# KiCad board sbc.kicad_pcb (continued)
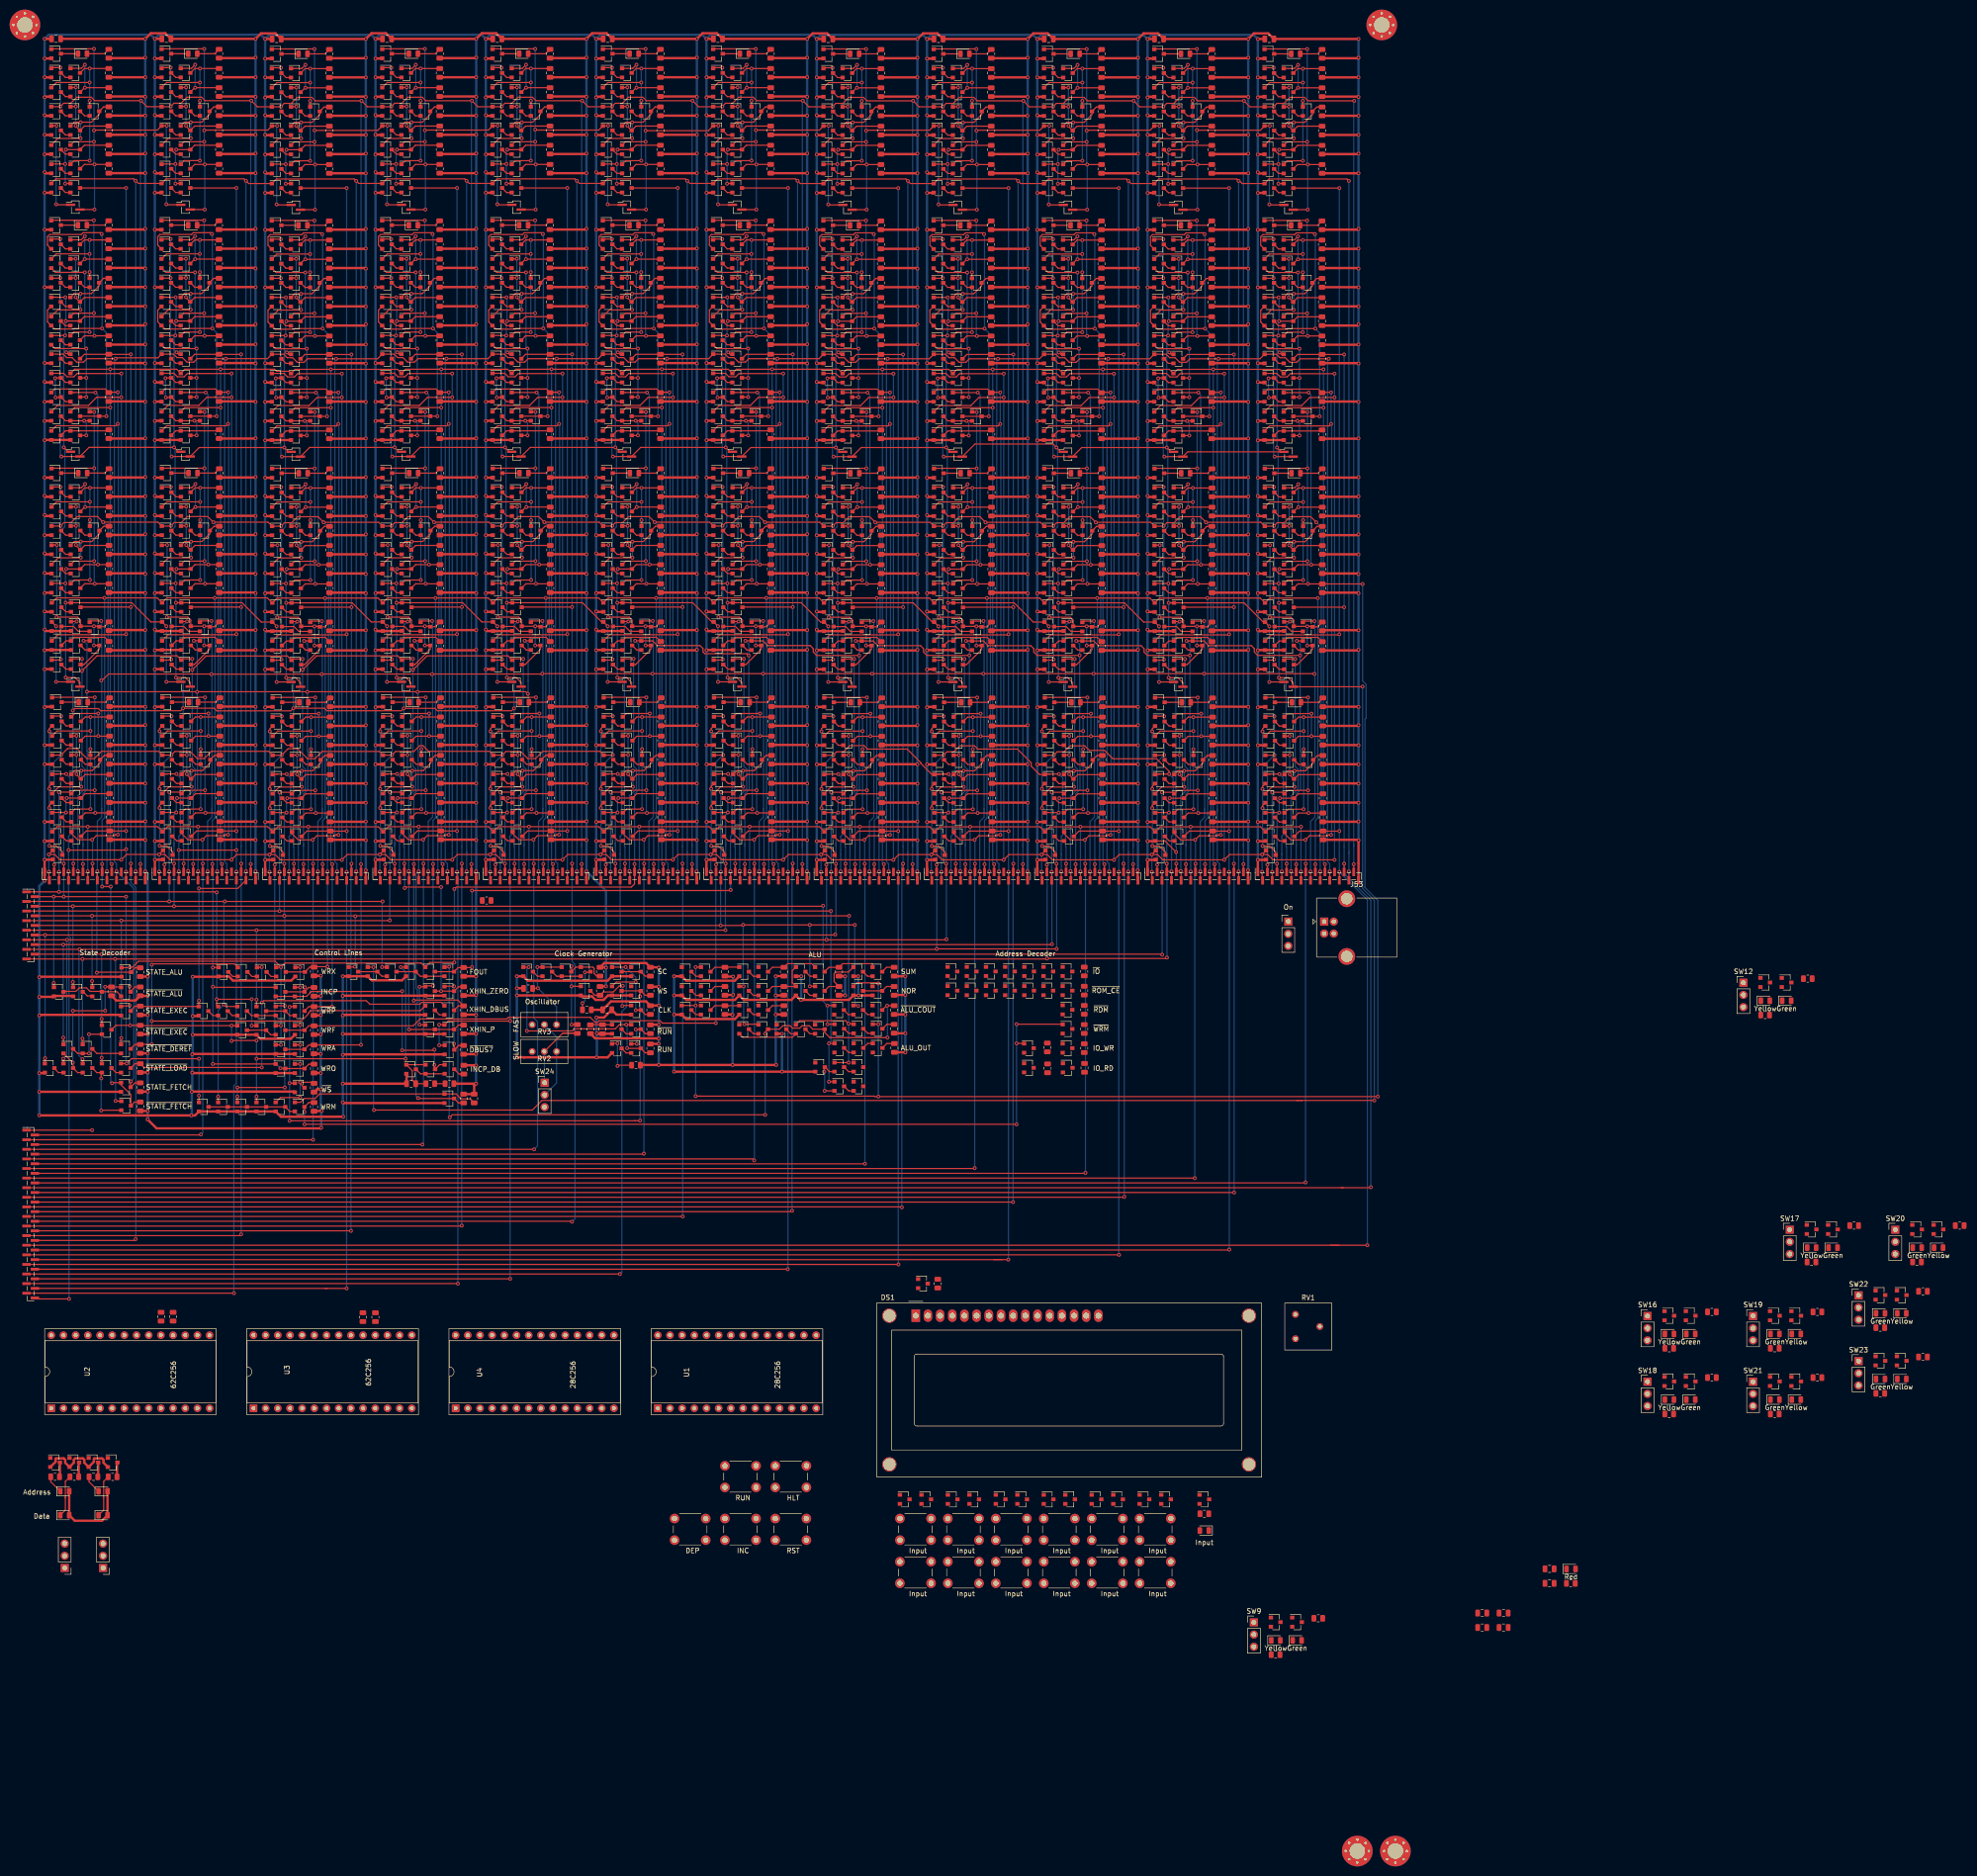
[diagram p0: board, top side]
## Placement (name value [footprint] x y rotation side) (continued)
R293  10k  [R_0805_2012Metric]  178.55 311.22 90 top
R294  10k  [R_0805_2012Metric]  178.75 211.82 90 top
R295  10k  [R_0805_2012Metric]  178.55 350.82 90 top
R296  10k  [R_0805_2012Metric]  178.55 366.82 90 top
R297  1k  [R_0805_2012Metric]  178.55 374.82 90 top
R298  10k  [R_0805_2012Metric]  178.55 354.82 90 top
R299  10k  [R_0805_2012Metric]  178.55 370.82 90 top
R300  10k  [R_0805_2012Metric]  178.55 362.82 90 top
R301  10k  [R_0805_2012Metric]  178.55 358.82 90 top
R302  10k  [R_0805_2012Metric]  178.6 255.42 90 top
R303  10k  [R_0805_2012Metric]  178.6 251.32 90 top
R304  10k  [R_0805_2012Metric]  178.6 263.36 90 top
R305  10k  [R_0805_2012Metric]  178.6 279.36 90 top
R306  1k  [R_0805_2012Metric]  178.6 287.36 90 top
R307  10k  [R_0805_2012Metric]  178.6 267.36 90 top
R308  10k  [R_0805_2012Metric]  178.6 283.36 90 top
R309  10k  [R_0805_2012Metric]  178.6 275.36 90 top
R310  10k  [R_0805_2012Metric]  178.6 271.36 90 top
R311  10k  [R_0805_2012Metric]  178.55 303.22 90 top
R312  10k  [R_0805_2012Metric]  178.55 295.47 90 top
R313  10k  [R_0805_2012Metric]  178.53 315.07 90 top
R314  10k  [R_0805_2012Metric]  178.53 331.07 90 top
R315  1k  [R_0805_2012Metric]  178.53 339.07 90 top
R316  10k  [R_0805_2012Metric]  178.53 319.07 90 top
R317  10k  [R_0805_2012Metric]  178.53 335.07 90 top
R318  10k  [R_0805_2012Metric]  178.53 327.07 90 top
R319  10k  [R_0805_2012Metric]  178.53 323.07 90 top
R320  10k  [R_0805_2012Metric]  178.71 215.58 90 top
R321  10k  [R_0805_2012Metric]  178.71 231.58 90 top
R322  1k  [R_0805_2012Metric]  178.71 239.58 90 top
R323  10k  [R_0805_2012Metric]  178.71 219.58 90 top
R324  10k  [R_0805_2012Metric]  178.71 235.58 90 top
R325  10k  [R_0805_2012Metric]  178.71 227.58 90 top
R326  10k  [R_0805_2012Metric]  178.71 223.58 90 top
R327  10k  [R_0805_2012Metric]  201.55 311.22 90 top
R328  10k  [R_0805_2012Metric]  201.75 211.82 90 top
R329  10k  [R_0805_2012Metric]  201.55 350.82 90 top
R330  10k  [R_0805_2012Metric]  201.55 366.82 90 top
R331  1k  [R_0805_2012Metric]  201.55 374.82 90 top
R332  10k  [R_0805_2012Metric]  201.55 354.82 90 top
R333  10k  [R_0805_2012Metric]  201.55 370.82 90 top
R334  10k  [R_0805_2012Metric]  201.55 362.82 90 top
R335  10k  [R_0805_2012Metric]  201.55 358.82 90 top
R336  10k  [R_0805_2012Metric]  201.6 255.42 90 top
R337  10k  [R_0805_2012Metric]  201.6 251.32 90 top
R338  10k  [R_0805_2012Metric]  201.6 263.36 90 top
R339  10k  [R_0805_2012Metric]  201.6 279.36 90 top
R340  1k  [R_0805_2012Metric]  201.6 287.36 90 top
R341  10k  [R_0805_2012Metric]  201.6 267.36 90 top
R342  10k  [R_0805_2012Metric]  201.6 283.36 90 top
R343  10k  [R_0805_2012Metric]  201.6 275.36 90 top
R344  10k  [R_0805_2012Metric]  201.6 271.36 90 top
R345  10k  [R_0805_2012Metric]  201.55 303.22 90 top
R346  10k  [R_0805_2012Metric]  201.55 295.47 90 top
R347  10k  [R_0805_2012Metric]  201.53 315.07 90 top
R348  10k  [R_0805_2012Metric]  201.53 331.07 90 top
R349  1k  [R_0805_2012Metric]  201.53 339.07 90 top
R350  10k  [R_0805_2012Metric]  201.53 319.07 90 top
R351  10k  [R_0805_2012Metric]  201.53 335.07 90 top
R352  10k  [R_0805_2012Metric]  201.53 327.07 90 top
R353  10k  [R_0805_2012Metric]  201.53 323.07 90 top
R354  10k  [R_0805_2012Metric]  201.71 215.58 90 top
R355  10k  [R_0805_2012Metric]  201.71 231.58 90 top
R356  1k  [R_0805_2012Metric]  201.71 239.58 90 top
R357  10k  [R_0805_2012Metric]  201.71 219.58 90 top
R358  10k  [R_0805_2012Metric]  201.71 235.58 90 top
R359  10k  [R_0805_2012Metric]  201.71 227.58 90 top
R360  10k  [R_0805_2012Metric]  201.71 223.58 90 top
R361  10k  [R_0805_2012Metric]  224.55 311.22 90 top
R362  10k  [R_0805_2012Metric]  224.75 211.82 90 top
R363  10k  [R_0805_2012Metric]  224.55 350.82 90 top
R364  10k  [R_0805_2012Metric]  224.55 366.82 90 top
R365  1k  [R_0805_2012Metric]  224.55 374.82 90 top
R366  10k  [R_0805_2012Metric]  224.55 354.82 90 top
R367  10k  [R_0805_2012Metric]  224.55 370.82 90 top
R368  10k  [R_0805_2012Metric]  224.55 362.82 90 top
R369  10k  [R_0805_2012Metric]  224.55 358.82 90 top
R370  10k  [R_0805_2012Metric]  224.6 255.42 90 top
R371  10k  [R_0805_2012Metric]  224.6 251.32 90 top
R372  10k  [R_0805_2012Metric]  224.6 263.36 90 top
R373  10k  [R_0805_2012Metric]  224.6 279.36 90 top
R374  1k  [R_0805_2012Metric]  224.6 287.36 90 top
R375  10k  [R_0805_2012Metric]  224.6 267.36 90 top
R376  10k  [R_0805_2012Metric]  224.6 283.36 90 top
R377  10k  [R_0805_2012Metric]  224.6 275.36 90 top
R378  10k  [R_0805_2012Metric]  224.6 271.36 90 top
R379  10k  [R_0805_2012Metric]  224.55 303.22 90 top
R380  10k  [R_0805_2012Metric]  224.55 295.47 90 top
R381  10k  [R_0805_2012Metric]  224.53 315.07 90 top
R382  10k  [R_0805_2012Metric]  224.53 331.07 90 top
R383  1k  [R_0805_2012Metric]  224.53 339.07 90 top
R384  10k  [R_0805_2012Metric]  224.53 319.07 90 top
R385  10k  [R_0805_2012Metric]  224.53 335.07 90 top
R386  10k  [R_0805_2012Metric]  224.53 327.07 90 top
R387  10k  [R_0805_2012Metric]  224.53 323.07 90 top
R388  10k  [R_0805_2012Metric]  224.71 215.58 90 top
R389  10k  [R_0805_2012Metric]  224.71 231.58 90 top
R390  1k  [R_0805_2012Metric]  224.71 239.58 90 top
R391  10k  [R_0805_2012Metric]  224.71 219.58 90 top
R392  10k  [R_0805_2012Metric]  224.71 235.58 90 top
R393  10k  [R_0805_2012Metric]  224.71 227.58 90 top
R394  10k  [R_0805_2012Metric]  224.71 223.58 90 top
R395  10k  [R_0805_2012Metric]  247.55 311.22 90 top
R396  10k  [R_0805_2012Metric]  247.75 211.82 90 top
R397  10k  [R_0805_2012Metric]  247.55 350.82 90 top
R398  10k  [R_0805_2012Metric]  247.55 366.82 90 top
R399  1k  [R_0805_2012Metric]  247.55 374.82 90 top
R400  10k  [R_0805_2012Metric]  247.55 354.82 90 top
R401  10k  [R_0805_2012Metric]  247.55 370.82 90 top
R402  10k  [R_0805_2012Metric]  247.55 362.82 90 top
R403  10k  [R_0805_2012Metric]  247.55 358.82 90 top
R404  10k  [R_0805_2012Metric]  247.6 255.42 90 top
R405  10k  [R_0805_2012Metric]  247.6 251.32 90 top
R406  10k  [R_0805_2012Metric]  247.6 263.36 90 top
R407  10k  [R_0805_2012Metric]  247.6 279.36 90 top
R408  1k  [R_0805_2012Metric]  247.6 287.36 90 top
R409  10k  [R_0805_2012Metric]  247.6 267.36 90 top
R410  10k  [R_0805_2012Metric]  247.6 283.36 90 top
R411  10k  [R_0805_2012Metric]  247.6 275.36 90 top
R412  10k  [R_0805_2012Metric]  247.6 271.36 90 top
R413  10k  [R_0805_2012Metric]  247.55 303.22 90 top
R414  10k  [R_0805_2012Metric]  247.55 295.47 90 top
R415  10k  [R_0805_2012Metric]  247.53 315.07 90 top
R416  10k  [R_0805_2012Metric]  247.53 331.07 90 top
R417  1k  [R_0805_2012Metric]  247.53 339.07 90 top
R418  10k  [R_0805_2012Metric]  247.53 319.07 90 top
R419  10k  [R_0805_2012Metric]  247.53 335.07 90 top
R420  10k  [R_0805_2012Metric]  247.53 327.07 90 top
R421  10k  [R_0805_2012Metric]  247.53 323.07 90 top
R422  10k  [R_0805_2012Metric]  247.71 215.58 90 top
R423  10k  [R_0805_2012Metric]  247.71 231.58 90 top
R424  1k  [R_0805_2012Metric]  247.71 239.58 90 top
R425  10k  [R_0805_2012Metric]  247.71 219.58 90 top
R426  10k  [R_0805_2012Metric]  247.71 235.58 90 top
R427  10k  [R_0805_2012Metric]  247.71 227.58 90 top
R428  10k  [R_0805_2012Metric]  247.71 223.58 90 top
R429  10k  [R_0805_2012Metric]  270.55 311.22 90 top
R430  10k  [R_0805_2012Metric]  270.75 211.82 90 top
R431  10k  [R_0805_2012Metric]  270.55 350.82 90 top
R432  10k  [R_0805_2012Metric]  270.55 366.82 90 top
R433  1k  [R_0805_2012Metric]  270.55 374.82 90 top
R434  10k  [R_0805_2012Metric]  270.55 354.82 90 top
R435  10k  [R_0805_2012Metric]  270.55 370.82 90 top
R436  10k  [R_0805_2012Metric]  270.55 362.82 90 top
R437  10k  [R_0805_2012Metric]  270.55 358.82 90 top
R438  10k  [R_0805_2012Metric]  270.6 255.42 90 top
R439  10k  [R_0805_2012Metric]  270.6 251.32 90 top
R440  10k  [R_0805_2012Metric]  270.6 263.36 90 top
R441  10k  [R_0805_2012Metric]  270.6 279.36 90 top
R442  1k  [R_0805_2012Metric]  270.6 287.36 90 top
R443  10k  [R_0805_2012Metric]  270.6 267.36 90 top
R444  10k  [R_0805_2012Metric]  270.6 283.36 90 top
R445  10k  [R_0805_2012Metric]  270.6 275.36 90 top
R446  10k  [R_0805_2012Metric]  270.6 271.36 90 top
R447  10k  [R_0805_2012Metric]  270.55 303.22 90 top
R448  10k  [R_0805_2012Metric]  270.55 295.47 90 top
R449  10k  [R_0805_2012Metric]  270.53 315.07 90 top
R450  10k  [R_0805_2012Metric]  270.53 331.07 90 top
R451  1k  [R_0805_2012Metric]  270.53 339.07 90 top
R452  10k  [R_0805_2012Metric]  270.53 319.07 90 top
R453  10k  [R_0805_2012Metric]  270.53 335.07 90 top
R454  10k  [R_0805_2012Metric]  270.53 327.07 90 top
R455  10k  [R_0805_2012Metric]  270.53 323.07 90 top
R456  10k  [R_0805_2012Metric]  270.71 215.58 90 top
R457  10k  [R_0805_2012Metric]  270.71 231.58 90 top
R458  1k  [R_0805_2012Metric]  270.71 239.58 90 top
R459  10k  [R_0805_2012Metric]  270.71 219.58 90 top
R460  10k  [R_0805_2012Metric]  270.71 235.58 90 top
R461  10k  [R_0805_2012Metric]  270.71 227.58 90 top
R462  10k  [R_0805_2012Metric]  270.71 223.58 90 top
R463  10k  [R_0805_2012Metric]  220.95 167.45 90 top
R464  10k  [R_0805_2012Metric]  30.9 111.45 90 top
R465  10k  [R_0805_2012Metric]  213.25 167.6 90 top
R466  1k  [R_0805_2012Metric]  6.3 78.05 0 top
R467  10k  [R_0805_2012Metric]  70.5 111.35 90 top
R468  10k  [R_0805_2012Metric]  10.3 78.05 0 top
R469  10k  [R_0805_2012Metric]  73.1 111.35 90 top
R470  10k  [R_0805_2012Metric]  220.95 183.45 90 top
R471  10k  [R_0805_2012Metric]  220.95 179.45 90 top
R472  10k  [R_0805_2012Metric]  220.95 171.45 90 top
R473  10k  [R_0805_2012Metric]  220.95 175.45 90 top
R474  1k  [R_0805_2012Metric]  14.29 78.05 0 top
R475  10k  [R_0805_2012Metric]  18.29 78.05 0 top
R476  10k  [R_0805_2012Metric]  96.3 198.25 0 top
R477  10k  [R_0805_2012Metric]  93.7 156.95 270 top
R478  10k  [R_0805_2012Metric]  91.5 156.95 270 top
R479  1k  [R_0805_2012Metric]  260.86 40.96 0 top
R480  10k  [R_0805_2012Metric]  269.76 48.55 0 top
R481  10k  [R_0805_2012Metric]  190.4 118.35 90 top
R482  1k  [R_0805_2012Metric]  362.96 174.36 0 top
R483  10k  [R_0805_2012Metric]  371.86 181.95 0 top
R484  1k  [R_0805_2012Metric]  351.86 112.45 0 top
R485  10k  [R_0805_2012Metric]  342.96 104.86 0 top
R486  1k  [R_0805_2012Metric]  381.53 130.45 0 top
R487  10k  [R_0805_2012Metric]  372.63 122.86 0 top
R488  1k  [R_0805_2012Metric]  342.96 91.16 0 top
R489  10k  [R_0805_2012Metric]  351.86 98.75 0 top
R490  1k  [R_0805_2012Metric]  364.97 104.86 0 top
R491  10k  [R_0805_2012Metric]  373.87 112.45 0 top
R492  1k  [R_0805_2012Metric]  394.64 122.86 0 top
R493  10k  [R_0805_2012Metric]  403.54 130.45 0 top
R494  1k  [R_0805_2012Metric]  364.97 91.16 0 top
R495  10k  [R_0805_2012Metric]  373.87 98.75 0 top
R496  1k  [R_0805_2012Metric]  395.88 116.75 0 top
R497  10k  [R_0805_2012Metric]  386.98 109.16 0 top
R498  1k  [R_0805_2012Metric]  386.98 95.46 0 top
R499  10k  [R_0805_2012Metric]  395.88 103.05 0 top
RV1  10k  [Potentiometer_Bourns_3386F_Vertical]  265 106.85 0 top
RV2  1m  [Potentiometer_Bourns_3296W_Vertical]  105.8 166.75 180 top
RV3  1m  [Potentiometer_Bourns_3296W_Vertical]  105.8 172.35 180 top
SW1  Input  [SW_PUSH_6mm]  182.5 69.35 0 top
SW2  SW  [PinHeader_1x03_P2.54mm_Vertical]  8.3 59.05 180 top
SW3  SW  [PinHeader_1x03_P2.54mm_Vertical]  16.29 59.05 180 top
SW4  RST  [SW_PUSH_6mm]  156.5 69.35 0 top
SW5  DEP  [SW_PUSH_6mm]  135.5 69.35 0 top
SW6  RUN  [SW_PUSH_6mm]  146 80.35 0 top
SW7  HLT  [SW_PUSH_6mm]  156.5 80.35 0 top
SW8  INC  [SW_PUSH_6mm]  146 69.35 0 top
SW9  SW  [PinHeader_1x03_P2.54mm_Vertical]  256.33 47.7 0 top
SW10  Input  [SW_PUSH_6mm]  192.5 69.35 0 top
SW11  Input  [SW_PUSH_6mm]  202.5 69.35 0 top
SW12  SW  [PinHeader_1x03_P2.54mm_Vertical]  358.43 181.1 0 top
SW13  On  [PinHeader_1x03_P2.54mm_Vertical]  263.5 193.85 0 top
SW14  Input  [SW_PUSH_6mm]  212.5 69.35 0 top
SW15  Input  [SW_PUSH_6mm]  222.5 69.35 0 top
SW16  SW  [PinHeader_1x03_P2.54mm_Vertical]  338.43 111.6 0 top
SW17  SW  [PinHeader_1x03_P2.54mm_Vertical]  368.1 129.6 0 top
SW18  SW  [PinHeader_1x03_P2.54mm_Vertical]  338.43 97.9 0 top
SW19  SW  [PinHeader_1x03_P2.54mm_Vertical]  360.44 111.6 0 top
SW20  SW  [PinHeader_1x03_P2.54mm_Vertical]  390.11 129.6 0 top
SW21  SW  [PinHeader_1x03_P2.54mm_Vertical]  360.44 97.9 0 top
SW22  SW  [PinHeader_1x03_P2.54mm_Vertical]  382.45 115.9 0 top
SW23  SW  [PinHeader_1x03_P2.54mm_Vertical]  382.45 102.2 0 top
SW24  HZ  [PinHeader_1x03_P2.54mm_Vertical]  108.4 160.25 0 top
SW25  Input  [SW_PUSH_6mm]  232.5 69.35 0 top
SW26  Input  [SW_PUSH_6mm]  182.5 60.35 0 top
SW27  Input  [SW_PUSH_6mm]  192.5 60.35 0 top
SW28  Input  [SW_PUSH_6mm]  202.5 60.35 0 top
SW29  Input  [SW_PUSH_6mm]  212.5 60.35 0 top
SW30  Input  [SW_PUSH_6mm]  222.5 60.35 0 top
SW31  Input  [SW_PUSH_6mm]  232.5 60.35 0 top
U1  28C256  [DIP-28_W15.24mm_Socket]  132 92.35 90 top
U2  62C256  [DIP-28_W15.24mm_Socket]  5.5 92.35 90 top
U3  62C256  [DIP-28_W15.24mm_Socket]  47.67 92.35 90 top
U4  28C256  [DIP-28_W15.24mm_Socket]  89.83 92.35 90 top

## Footprints (pads in the part's own frame, mm; a bottom-side part is the same pattern mirrored in y, then rotated)
C_0805_2012Metric
  rrect 1x1.45 smd: 1(-0.95,0) 2(0.95,0)
DIP-28_W15.24mm_Socket
  rect 1.6x1.6 hole 0.8: 1(0,0)
  oval 1.6x1.6 hole 0.8: 2(0,-2.54) 3(0,-5.08) 4(0,-7.62) 5(0,-10.16) 6(0,-12.7) 7(0,-15.24) 8(0,-17.78) 9(0,-20.32) 10(0,-22.86) 11(0,-25.4) 12(0,-27.94) 13(0,-30.48) 14(0,-33.02) 15(15.24,-33.02) 16(15.24,-30.48) 17(15.24,-27.94) 18(15.24,-25.4) 19(15.24,-22.86) 20(15.24,-20.32) 21(15.24,-17.78) 22(15.24,-15.24) 23(15.24,-12.7) 24(15.24,-10.16) 25(15.24,-7.62) 26(15.24,-5.08) 27(15.24,-2.54) 28(15.24,0)
LED_0805_2012Metric
  rrect 0.975x1.4 smd: 1(-0.938,0) 2(0.938,0)
MountingHole_3.2mm_M3_Pad_Via
  round 0.8 hole 0.5: 1(-2.4,0) 1(-1.697,1.697) 1(-1.697,-1.697) 1(0,2.4) 1(0,-2.4) 1(1.697,1.697) 1(1.697,-1.697) 1(2.4,0)
  round 6.4 hole 3.2: 1(0,0)
PinHeader_1x03_P2.54mm_Vertical
  rect 1.7x1.7 hole 1: 1(0,0)
  oval 1.7x1.7 hole 1: 2(0,-2.54) 3(0,-5.08)
PinHeader_1x15_P1.00mm_Vertical_SMD_Pin1Left
  rect 1.75x0.6 smd: 1(-0.875,7) 2(0.875,6) 3(-0.875,5) 4(0.875,4) 5(-0.875,3) 6(0.875,2) 7(-0.875,1) 8(0.875,0) 9(-0.875,-1) 10(0.875,-2) 11(-0.875,-3) 12(0.875,-4) 13(-0.875,-5) 14(0.875,-6) 15(-0.875,-7)
PinHeader_1x22_P1.00mm_Vertical_SMD_Pin1Right
  rect 1.75x0.6 smd: 1(0.875,10.5) 2(-0.875,9.5) 3(0.875,8.5) 4(-0.875,7.5) 5(0.875,6.5) 6(-0.875,5.5) 7(0.875,4.5) 8(-0.875,3.5) 9(0.875,2.5) 10(-0.875,1.5) 11(0.875,0.5) 12(-0.875,-0.5) 13(0.875,-1.5) 14(-0.875,-2.5) 15(0.875,-3.5) 16(-0.875,-4.5) 17(0.875,-5.5) 18(-0.875,-6.5) 19(0.875,-7.5) 20(-0.875,-8.5) 21(0.875,-9.5) 22(-0.875,-10.5)
PinHeader_1x36_P1.00mm_Vertical_SMD_Pin1Left
  rect 1.75x0.6 smd: 1(-0.875,17.5) 2(0.875,16.5) 3(-0.875,15.5) 4(0.875,14.5) 5(-0.875,13.5) 6(0.875,12.5) 7(-0.875,11.5) 8(0.875,10.5) 9(-0.875,9.5) 10(0.875,8.5) 11(-0.875,7.5) 12(0.875,6.5) 13(-0.875,5.5) 14(0.875,4.5) 15(-0.875,3.5) 16(0.875,2.5) 17(-0.875,1.5) 18(0.875,0.5) 19(-0.875,-0.5) 20(0.875,-1.5) 21(-0.875,-2.5) 22(0.875,-3.5) 23(-0.875,-4.5) 24(0.875,-5.5) 25(-0.875,-6.5) 26(0.875,-7.5) 27(-0.875,-8.5) 28(0.875,-9.5) 29(-0.875,-10.5) 30(0.875,-11.5) 31(-0.875,-12.5) 32(0.875,-13.5) 33(-0.875,-14.5) 34(0.875,-15.5) 35(-0.875,-16.5) 36(0.875,-17.5)
PinSocket_1x02_P1.00mm_Vertical_SMD_Pin1Left
  rect 1.95x0.5 smd: 1(-0.975,0.5) 2(0.975,-0.5)
Potentiometer_Bourns_3296W_Vertical
  round 1.44 hole 0.8: 1(0,0) 2(-2.54,0) 3(-5.08,0)
Potentiometer_Bourns_3386F_Vertical
  round 1.44 hole 0.8: 1(0,0) 2(5.08,2.54) 3(0,5.08)
R_0805_2012Metric
  rrect 1.025x1.4 smd: 1(-0.912,0) 2(0.912,0)
SOT-23
  rect 0.9x0.8 smd: 1(-1,0.95) 2(-1,-0.95) 3(1,0)
SW_PUSH_6mm
  round 2 hole 1.1: 1(0,0) 1(6.5,0) 2(0,-4.5) 2(6.5,-4.5)
USB_B_OST_USB-B1HSxx_Horizontal
  rect 1.7x1.7 hole 0.92: 1(0,0)
  round 1.7 hole 0.92: 2(0,-2.5) 3(2,-2.5) 4(2,0)
  round 3.5 hole 2.33: 5(4.71,4.77) 5(4.71,-7.27)
WC1602A
  round 3 hole 2.5: (-5.499,0) (-5.499,-31.001) (69.499,-31.001) (69.5,0)
  rect 1.8x2.6 hole 1.2: 1(0,0)
  oval 1.8x2.6 hole 1.2: 2(2.54,0) 3(5.08,0) 4(7.62,0) 5(10.16,0) 6(12.7,0) 7(15.24,0) 8(17.78,0) 9(20.32,0) 10(22.86,0) 11(25.4,0) 12(27.94,0) 13(30.48,0) 14(33.02,0) 15(35.56,0) 16(38.1,0)

## Nets
GND: C1.2 C2.2 C3.1 C4.1 C5.1 C6.1 C7.2 C8.2 C9.2 C10.2 C11.2 C12.2 C13.2 C14.2 C15.2 C16.2 C17.2 C18.2 C19.1 C20.1 C21.1 C22.1 D73.1 DS1.1 DS1.5 DS1.16 H1.1 H2.1 H3.1 H4.1 J1.1 J3.1 J4.1 J9.1 J13.1 J17.1 J21.1 J21.7 J21.8 J25.1 J25.7 J25.8 J29.1 J29.7 J29.8 J33.1 J33.7 J33.8 J37.1 J37.7 J37.8 J41.1 J41.7 J41.8 J45.1 J45.7 J45.8 J53.4 J53.5 Q1.2 Q3.2 Q4.2 Q6.2 Q9.2 Q10.2 Q13.2 Q14.2 Q17.2 Q19.2 Q20.2 Q25.2 Q26.2 Q27.2 Q28.2 Q29.1 Q29.2 Q30.2 Q33.2 Q34.2 Q37.2 Q38.2 Q41.2 Q43.2 Q44.2 Q46.2 Q51.2 Q52.2 Q53.2 Q54.2 Q55.2 Q66.2 Q69.2 Q70.2 Q71.2 Q74.2 Q75.2 Q82.2 Q86.2 Q88.2 Q91.2 Q92.2 Q93.2 Q96.2 Q97.2 Q100.2 Q102.2 Q107.2 Q108.2 Q109.2 Q110.2 Q111.2 Q112.2 Q115.2 Q116.2 Q117.2 Q120.2 Q121.2 Q124.2 Q126.2 Q128.2 Q133.2 Q134.2 Q135.2 Q136.2 Q137.2 Q142.2 Q149.2 Q152.2 Q153.2 Q156.2 Q157.2 Q158.2 Q165.2 Q177.2 Q180.2 Q181.2 Q182.2 Q183.2 Q184.2 Q185.2 Q186.2 Q187.2 Q188.2 Q190.2 Q191.2 Q192.2 Q193.2 Q194.2 Q197.2 Q198.2 Q200.2 Q202.2 Q205.2 Q206.2 Q210.2 Q215.2 Q217.2 Q219.2 Q220.2 Q221.2 Q222.2 Q223.2 Q224.2 Q225.2 Q226.2 Q227.2 Q230.2 Q231.2 Q233.2 Q234.2 Q235.2 Q238.2 Q239.2 Q242.2 Q244.2 Q247.2 Q248.2 Q249.2 Q252.2 Q255.2 Q258.2 Q259.2 Q260.2 Q261.2 Q266.2 Q274.2 Q279.2 Q280.2 Q281.2 Q282.2 Q283.2 Q285.2 Q287.2 Q290.2 Q291.2 Q292.2 Q295.2 Q296.2 Q299.2 Q301.2 Q306.2 Q307.2 Q308.2 Q309.2 Q310.2 Q311.2 Q314.2 Q315.2 Q316.2 Q319.2 Q320.2 Q323.2 Q325.2 Q327.2 Q332.2 Q333.2 Q334.2 Q335.2 Q336.2 Q341.2 Q348.2 Q351.2 Q352.2 Q355.2 Q356.2 Q357.2 Q364.2 Q368.2 Q370.2 Q373.2 Q374.2 Q375.2 Q378.2 Q379.2 Q382.2 Q384.2 Q389.2 Q390.2 Q391.2 Q392.2 Q393.2 Q394.2 Q397.2 Q398.2 Q399.2 Q402.2 Q403.2 Q406.2 Q408.2 Q410.2 Q415.2 Q416.2 Q417.2 Q418.2 Q419.2 Q424.2 Q431.2 Q434.2 Q435.2 Q438.2 Q439.2 Q440.2 Q447.2 Q451.2 Q453.2 Q456.2 Q457.2 Q458.2 Q461.2 Q462.2 Q465.2 Q467.2 Q472.2 Q473.2 Q474.2 Q475.2 Q476.2 Q477.2 Q480.2 Q481.2 Q482.2 Q485.2 Q486.2 Q489.2 Q491.2 Q493.2 Q498.2 Q499.2 Q500.2 Q501.2 Q502.2 Q507.2 Q514.2 Q517.2 Q518.2 Q521.2 Q522.2 Q523.2 Q530.2 Q534.2 Q536.2 Q539.2 Q540.2 Q541.2 Q544.2 Q545.2 Q548.2 Q550.2 Q553.1 Q555.1 Q555.2 Q556.2 Q557.2 Q558.2 Q559.2 Q560.2 Q563.2 Q564.2 Q565.2 Q568.2 Q569.2 Q572.2 Q574.2 Q576.2 Q581.2 Q582.2 Q583.2 Q584.2 Q585.2 Q590.2 Q597.2 Q600.2 Q604.2 Q605.2 Q606.2 Q613.2 Q617.2 Q619.2 Q622.2 Q623.2 Q624.2 Q627.2 Q628.2 Q631.2 Q633.2 Q636.1 Q638.1 Q638.2 Q639.2 Q640.2 Q641.2 Q642.2 Q643.2 Q646.2 Q647.2 Q648.2 Q651.2 Q652.2 Q655.2 Q657.2 Q659.2 Q664.2 Q665.2 Q666.2 Q667.2 Q668.2 Q673.2 Q680.2 Q687.2 Q688.2 Q689.2 Q696.2 Q700.2 Q702.2 Q705.2 Q706.2 Q707.2 Q710.2 Q711.2 Q714.2 Q716.2 Q719.1 Q721.1 Q721.2 Q722.2 Q723.2 Q724.2 Q725.2 Q726.2 Q729.2 Q730.2 Q731.2 Q734.2 Q735.2 Q738.2 Q740.2 Q742.2 Q747.2 Q748.2 Q749.2 Q750.2 Q751.2 Q756.2 Q763.2 Q770.2 Q771.2 Q772.2 Q779.2 Q783.2 Q785.2 Q788.2 Q789.2 Q790.2 Q793.2 Q794.2 Q797.2 Q799.2 Q802.1 Q804.1 Q804.2 Q805.2 Q806.2 Q807.2 Q808.2 Q809.2 Q812.2 Q813.2 Q814.2 Q817.2 Q818.2 Q821.2 Q823.2 Q825.2 Q830.2 Q831.2 Q832.2 Q833.2 Q834.2 Q839.2 Q846.2 Q853.2 Q854.2 Q855.2 Q862.2 Q866.2 Q868.2 Q871.2 Q872.2 Q873.2 Q876.2 Q877.2 Q880.2 Q882.2 Q885.1 Q887.1 Q887.2 Q888.2 Q889.2 Q890.2 Q891.2 Q892.2 Q895.2 Q896.2 Q897.2 Q900.2 Q901.2 Q904.2 Q906.2 Q908.2 Q913.2 Q914.2 Q915.2 Q916.2 Q917.2 Q922.2 Q929.2 Q936.2 Q937.2 Q938.2 Q945.2 Q949.2 Q951.2 Q954.2 Q955.2 Q956.2 Q959.2 Q960.2 Q963.2 Q965.2 Q968.1 Q970.1 Q970.2 Q971.2 Q972.2 Q973.2 Q974.2 Q975.2 Q978.2 Q979.2 Q980.2 Q983.2 Q984.2 Q987.2 Q989.2 Q991.2 Q996.2 Q997.2 Q998.2 Q999.2 Q1000.2 Q1005.2 Q1012.2 Q1019.2 Q1020.2 Q1021.2 Q1028.2 Q1032.2 Q1034.2 Q1037.2 Q1038.2 Q1039.2 Q1042.2 Q1043.2 Q1046.2 Q1048.2 Q1051.1 Q1053.1 Q1053.2 Q1054.2 Q1055.2 Q1056.2 Q1057.2 Q1058.2 Q1061.2 Q1062.2 Q1063.2 Q1066.2 Q1067.2 Q1070.2 Q1072.2 Q1074.2 Q1079.2 Q1080.2 Q1081.2 Q1082.2 Q1083.2 Q1088.2 Q1095.2 Q1099.2 Q1102.2 Q1103.2 Q1104.2 Q1111.2 Q1114.2 Q1115.2 Q1116.2 Q1117.2 Q1119.2 Q1120.2 Q1121.2 Q1122.2 Q1123.2 Q1124.2 Q1125.2 Q1126.2 Q1127.2 Q1128.2 Q1129.2 Q1130.2 Q1131.2 Q1132.2 Q1133.2 Q1134.2 Q1135.2 Q1136.2 Q1137.2 Q1138.2 Q1139.2 Q1140.2 Q1141.2 Q1142.2 Q1143.2 Q1144.2 Q1145.2 Q1146.2 Q1147.2 Q1148.2 Q1149.2 Q1150.2 Q1151.2 Q1152.2 Q1153.2 Q1154.2 Q1155.2 Q1156.2 Q1157.2 R1.2 R464.2 R467.2 R469.2 RV1.1 SW2.1 SW3.1 SW4.2 SW5.2 SW6.2 SW7.2 SW8.2 SW9.1 SW12.1 SW16.1 SW17.1 SW18.1 SW19.1 SW20.1 SW21.1 SW22.1 SW23.1 U1.1 U1.2 U1.14 U1.23 U1.26 U2.1 U2.2 U2.14 U2.23 U2.26 U3.1 U3.2 U3.14 U3.23 U3.26 U4.1 U4.2 U4.14 U4.23 U4.26
VCC: C1.1 C2.1 C3.2 C7.1 C8.1 C9.1 C10.1 C11.1 C12.1 C13.1 C14.1 C15.1 C16.1 C17.1 C18.1 C19.2 C20.2 C21.2 C22.2 D49.2 D50.2 D51.2 D52.2 D53.2 D54.2 D55.2 D56.2 D57.2 D58.2 D59.2 D60.2 D61.2 D62.2 D63.2 D64.2 D65.2 D66.2 D67.2 D68.2 D69.2 D70.2 D71.2 D72.2 DS1.2 DS1.15 J1.22 J4.22 J9.22 J13.22 J17.22 J21.22 J25.22 J29.22 J33.22 J37.22 J41.22 J45.22 R2.1 R3.1 R4.1 R5.1 R6.1 R7.1 R8.1 R9.1 R10.1 R11.1 R12.1 R13.1 R14.1 R15.1 R16.1 R17.1 R18.1 R19.1 R20.1 R21.1 R22.1 R23.1 R24.1 R25.1 R26.1 R27.1 R28.1 R29.1 R30.1 R31.1 R32.1 R33.1 R34.1 R35.1 R36.1 R37.1 R38.1 R39.1 R40.1 R41.1 R42.1 R43.1 R44.1 R45.1 R46.1 R47.1 R48.1 R49.1 R50.1 R51.1 R52.1 R53.1 R54.1 R55.1 R56.1 R57.1 R58.1 R59.1 R60.1 R61.1 R62.1 R63.1 R64.1 R65.1 R66.1 R67.1 R68.1 R69.1 R70.1 R71.1 R72.1 R73.1 R74.1 R75.1 R76.1 R77.1 R78.1 R79.1 R80.1 R81.1 R82.1 R83.1 R84.1 R85.1 R86.1 R87.1 R88.1 R89.1 R90.1 R91.1 R92.1 R94.1 R95.1 R96.1 R97.1 R98.1 R99.1 R100.1 R101.1 R102.1 R103.1 R104.1 R105.1 R107.1 R108.1 R109.1 R110.1 R111.1 R112.1 R113.1 R114.1 R115.1 R116.1 R117.1 R118.1 R119.1 R120.1 R121.1 R122.1 R123.1 R124.1 R125.1 R126.1 R127.1 R128.1 R129.1 R130.1 R131.1 R132.1 R133.1 R134.1 R135.1 R136.1 R137.1 R138.1 R139.1 R140.1 R141.1 R142.1 R143.1 R144.1 R145.1 R146.1 R147.1 R148.1 R149.1 R150.1 R151.1 R152.1 R153.1 R154.1 R155.1 R156.1 R157.1 R158.1 R159.1 R160.1 R161.1 R162.1 R163.1 R164.1 R165.1 R166.1 R167.1 R168.1 R169.1 R170.1 R171.1 R172.1 R173.1 R174.1 R175.1 R176.1 R177.1 R178.1 R179.1 R180.1 R181.1 R182.1 R183.1 R184.1 R185.1 R186.1 R187.1 R188.1 R189.1 R190.1 R191.1 R192.1 R193.1 R194.1 R195.1 R196.1 R197.1 R198.1 R199.1 R200.1 R201.1 R202.1 R203.1 R204.1 R205.1 R206.1 R207.1 R208.1 R209.1 R210.1 R211.1 R212.1 R213.1 R214.1 R215.1 R216.1 R217.1 R218.1 R219.1 R220.1 R221.1 R222.1 R223.1 R224.1 R225.1 R226.1 R227.1 R228.1 R229.1 R230.1 R231.1 R232.1 R233.1 R234.1 R235.1 R236.1 R237.1 R238.1 R239.1 R240.1 R241.1 R242.1 R243.1 R244.1 R245.1 R246.1 R247.1 R248.1 R249.1 R250.1 R251.1 R252.1 R253.1 R254.1 R255.1 R256.1 R257.1 R258.1 R259.1 R260.1 R261.1 R262.1 R263.1 R264.1 R265.1 R266.1 R267.1 R268.1 R269.1 R270.1 R271.1 R272.1 R273.1 R274.1 R275.1 R276.1 R277.1 R278.1 R279.1 R280.1 R281.1 R282.1 R283.1 R284.1 R285.1 R286.1 R287.1 R288.1 R289.1 R290.1 R291.1 R292.1 R293.1 R294.1 R295.1 R296.1 R297.1 R298.1 R299.1 R300.1 R301.1 R302.1 R303.1 R304.1 R305.1 R306.1 R307.1 R308.1 R309.1 R310.1 R311.1 R312.1 R313.1 R314.1 R315.1 R316.1 R317.1 R318.1 R319.1 R320.1 R321.1 R322.1 R323.1 R324.1 R325.1 R326.1 R327.1 R328.1 R329.1 R330.1 R331.1 R332.1 R333.1 R334.1 R335.1 R336.1 R337.1 R338.1 R339.1 R340.1 R341.1 R342.1 R343.1 R344.1 R345.1 R346.1 R347.1 R348.1 R349.1 R350.1 R351.1 R352.1 R353.1 R354.1 R355.1 R356.1 R357.1 R358.1 R359.1 R360.1 R361.1 R362.1 R363.1 R364.1 R365.1 R366.1 R367.1 R368.1 R369.1 R370.1 R371.1 R372.1 R373.1 R374.1 R375.1 R376.1 R377.1 R378.1 R379.1 R380.1 R381.1 R382.1 R383.1 R384.1 R385.1 R386.1 R387.1 R388.1 R389.1 R390.1 R391.1 R392.1 R393.1 R394.1 R395.1 R396.1 R397.1 R398.1 R399.1 R400.1 R401.1 R402.1 R403.1 R404.1 R405.1 R406.1 R407.1 R408.1 R409.1 R410.1 R411.1 R412.1 R413.1 R414.1 R415.1 R416.1 R417.1 R418.1 R419.1 R420.1 R421.1 R422.1 R423.1 R424.1 R425.1 R426.1 R427.1 R428.1 R429.1 R430.1 R431.1 R432.1 R433.1 R434.1 R435.1 R436.1 R437.1 R438.1 R439.1 R440.1 R441.1 R442.1 R443.1 R444.1 R445.1 R446.1 R447.1 R448.1 R449.1 R450.1 R451.1 R452.1 R453.1 R454.1 R455.1 R456.1 R457.1 R458.1 R459.1 R460.1 R461.1 R462.1 R463.1 R465.1 R470.1 R471.1 R472.1 R473.1 R476.1 R477.1 R478.1 R481.1 RV1.3 SW13.2 U1.27 U1.28 U2.28 U3.28 U4.27 U4.28
/Bit 0/A Register/A DFF/~{Q}: Q1033.1 Q1037.1 Q1040.3 R434.2
/Bit 0/AIN: J42.2 J46.1 Q952.3 Q956.1 Q957.1 Q1048.1 R397.2
/Bit 0/P Register/P DFF/CLR: Q1077.3 Q1078.3 Q1091.2 Q1092.2 Q1097.2
/Bit 0/P Register/P DFF/Q: Q1084.3 Q1088.1 Q1089.1 R449.2
/Bit 0/P Register/P DFF/SET: Q1075.3 Q1076.3 Q1086.2 Q1087.2
/Bit 0/S Register/State FF/CLR: Q600.3 Q1107.2 Q1108.2 Q1113.2
/Bit 0/X Register/X DFF/D: Q1049.3 Q1051.3 Q1052.3 Q1053.3 Q1072.1 R438.2
/Bit 0/~{XIN}: J43.2 J47.1 Q967.1 Q978.1 Q981.3 Q993.1 Q1057.1 R409.2
/Bit 1/A Register/A DFF/~{Q}: Q950.1 Q954.1 Q957.3 R400.2
/Bit 1/AIN: J38.2 J42.1 Q869.3 Q873.1 Q874.1 Q965.1 R363.2
/Bit 1/INCP_CLK: J44.2 J48.1 Q1009.1 Q1012.1 Q1056.1 Q1073.1 Q1086.1 Q1089.3 Q1097.1 R452.2
/Bit 1/P Register/P DFF/CLR: Q994.3 Q995.3 Q1008.2 Q1009.2 Q1014.2
/Bit 1/P Register/P DFF/Q: Q1001.3 Q1005.1 Q1006.1 R415.2
/Bit 1/P Register/P DFF/SET: Q992.3 Q993.3 Q1003.2 Q1004.2
